# Altium PCB DoubleMain.PcbDoc (part 2 of 3) (continued)
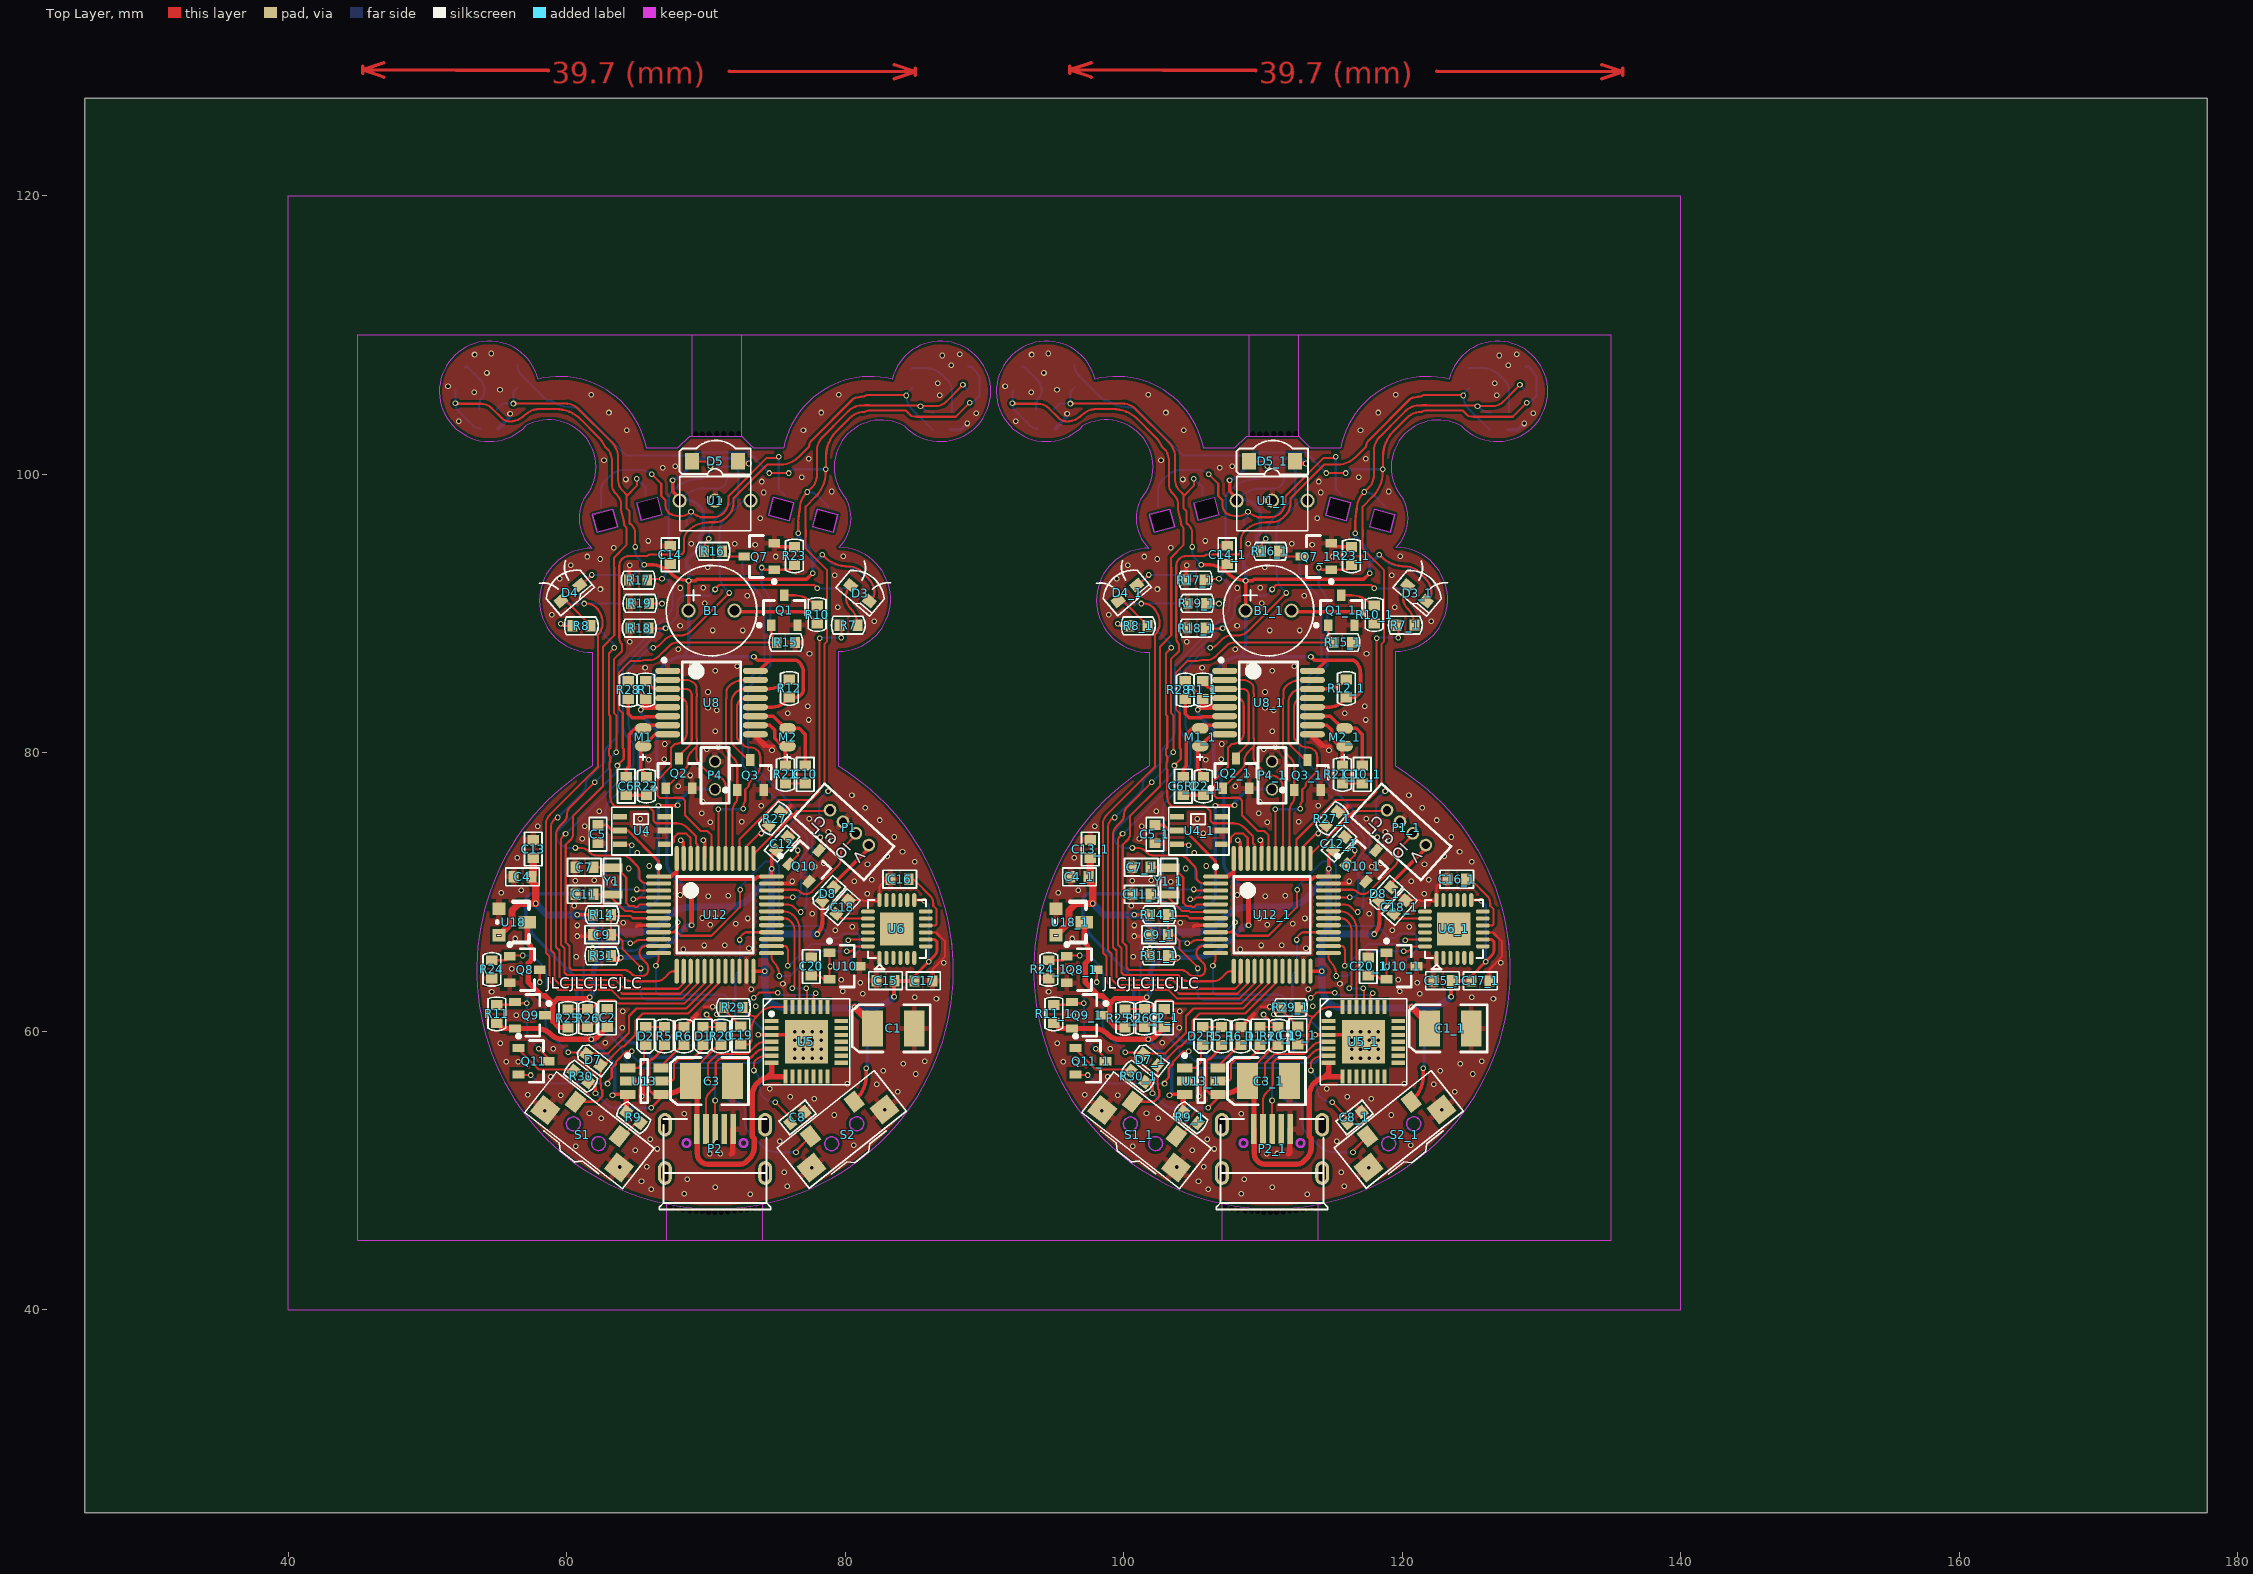
[diagram p0: Top Layer view]
## Nets (pads, with @x,y where several pads share a name; then routed paths per layer and width w, separated by ;. In a path a pad name is that pad's centre, name@x,y a point inside that pad or via, vN(x,y) a via of type N, cw(c..) or ccw(c..) an arc to the next point about the centre after c; other vN are vias at no path point) (continued)
; 101.403,61.521 101.495,61.521 ; 101.912,71.776 103.244,71.776 103.246,71.778 103.538,71.778 104.276,71.04 104.276,69.222 104.503,68.995 104.848,68.995 104.928,68.915 105.057,68.915 105.248,69.107 106.603,69.107 ; 101.919,69.83 101.929,69.819 103.246,69.819 103.246,69.565 104.173,68.639 104.701,68.639 104.78,68.56 106.556,68.56 106.603,68.607 ; v1(102.017,77.873) 100.391,76.248 100.274,76.13 ccw(c100.91,75.494) 100.01,75.494 cw(c99.415,75.494) 99.836,75.073 99.498,74.736 ccw(c100.164,74.071) 99.223,74.071 99.223,66.176 ccw(c100.09,66.176) 99.234,66.04 99.478,65.795 99.478,63.912 99.707,63.683 103.499,63.683 104.134,63.048 108.001,63.048 108.332,63.379 108.332,64.307 108.403,64.307 ; 102.554,57.525 102.61,57.525 103.993,58.908 104.11,58.908 104.889,59.686 ccw(c103.984,59.989) 104.938,59.989 104.938,60.737 105.471,61.27 108.738,61.27 110.903,63.435 110.903,64.307 ; 102.922,101.799 cw(c102.148,101.025) 103.243,101.025 103.243,99.272 ccw(c104.145,99.272) 103.507,98.633 103.583,98.557 cw(c102.809,97.783) 103.904,97.783 103.904,97.413 104.071,96.756 104.133,96.356 104.292,96.137 104.292,95.916 104.303,95.904 104.303,94.92 103.393,94.011 103.393,93.316 103.414,93.295 103.414,88.423 102.601,87.61 102.601,77.602 100.46,75.461 100.46,74.173 cw(c99.829,74.173) 100.276,73.728 99.934,73.386 99.934,66.377 100.195,66.116 100.195,64.572 100.373,64.394 104.074,64.394 cw(c104.074,63.658) 104.247,64.374 cw(c104.074,63.658) 104.595,64.179 104.666,64.107 ccw(c105.015,64.456) 105.015,63.962 105.372,63.962 ccw(c105.372,64.569) 105.708,64.064 ccw(c105.361,64.411) 105.852,64.411 105.852,64.506 ccw(c105.269,64.516) 105.852,64.516 ccw(c105.289,64.516) 105.687,64.915 105.522,65.08 ; v1(102.931,56.241) 102.931,56.368 103.237,56.674 103.237,57.334 103.543,57.64 103.543,57.809 104.286,58.552 v1(104.658,58.552) ; 103.175,66.833 ccw(c103.64,66.833) 103.311,66.503 ; v1(103.414,87.534) 103.033,87.153 103.033,82.713 103.126,82.619 103.126,80.355 103.033,80.262 103.033,79.82 103.126,79.726 103.126,79.33 103.082,79.286 103.082,78.844 103.126,78.8 103.126,76.819 ccw(c103.975,76.819) 103.375,76.219 ccw(c103.592,76.436) 103.592,76.129 105.885,76.129 106.24,75.775 106.24,75.095 106.403,74.932 107.884,74.932 cw(c107.884,73.82) 108.67,74.606 109.281,73.995 109.281,73.488 109.403,73.366 109.403,72.407 ; 103.469,52.69 104.246,52.69 104.252,52.683 105.004,53.435 ; v1(103.566,80.041) 103.566,82.682 103.388,82.86 103.388,86.717 103.976,87.305 103.976,87.788 cw(c104.475,88.286) 103.769,88.286 103.769,93.413 cw(c104.476,93.413) 103.976,93.913 cw(c104.476,93.413) 104.476,94.12 105.782,94.12 cw(c106.045,93.857) 106.045,94.229 108.168,94.229 ccw(c108.168,94.438) 108.316,94.29 ccw(c108.071,94.535) 108.418,94.535 108.418,95.222 cw(c109.417,95.222) 108.71,95.929 cw(c110.211,94.428) 110.211,96.551 110.633,96.551 ccw(c110.633,97.702) 111.447,96.888 111.641,97.081 ; v1(103.642,79.075) 103.642,79.092 104.1,79.549 104.1,80.262 104.023,80.338 104.023,82.835 103.744,83.114 103.744,85.73 104.611,86.597 105.279,86.597 cw(c105.64,85.257) 105.64,86.645 105.904,86.645 ccw(c105.904,87.685) 106.64,86.949 107.351,87.661 ; 103.788,73.341 103.717,73.411 104.604,73.411 v1(104.675,73.341) ; 104.151,63.784 ccw(c104.625,64.259) 104.625,63.588 106.459,63.588 ccw(c106.459,64.346) 106.611,63.603 ccw(c106.459,64.346) 106.995,63.81 107.34,64.155 cw(c107.706,63.789) 107.706,64.307 107.903,64.307 107.903,64.199 ; 104.373,57.369 105.151,57.369 105.537,57.754 105.537,58.857 105.674,58.994 ; v1(104.557,66.325) 104.811,66.325 104.878,66.392 cw(c105.268,66.001) 105.268,66.553 106.474,66.553 ccw(c106.474,66.735) 106.603,66.607 ; 104.698,96.309 cw(c104.178,95.79) 104.911,95.832 cw(c104.178,95.79) 104.912,95.79 v1(104.912,94.773) ; 104.697,96.31 104.511,96.496 104.511,97.349 104.305,97.555 104.305,98.441 104.339,98.475 ; v2(104.785,69.474) 105.059,69.474 105.192,69.607 106.603,69.607 ; 104.979,71.963 cw(c104.369,71.354) 105.231,71.354 105.231,71.003 ccw(c105.492,71.003) 105.308,70.819 ccw(c105.82,71.33) 105.72,70.613 ccw(c105.82,71.33) 105.82,70.607 106.603,70.607 ; v2(105.037,70.177) 105.108,70.107 106.603,70.107 106.532,70.177 ; v1(105.039,99.675) 105.039,99.175 104.339,98.475 ; v1(105.308,64.506) 105.308,64.6 103.998,65.911 103.998,66.491 103.555,66.934 103.175,66.934 103.175,68.357 103.248,68.284 104.554,68.284 104.731,68.107 106.603,68.107 ; 105.431,85.263 105.689,85.004 ; 105.521,65.081 105.42,65.182 cw(c105.878,65.64) 105.23,65.635 cw(c105.878,65.64) 105.23,65.64 cw(c105.722,65.64) 105.374,65.988 ; 105.661,66.107 ccw(c105.661,65.701) 105.464,66.055 ccw(c105.661,65.701) 105.374,65.988 ; 105.674,60.294 107.021,60.294 ; 105.739,58.93 105.827,59.017 105.827,59.071 ; 105.787,92.395 cw(c106.008,92.174) 106.008,92.487 v1(106.843,92.487) ; 105.969,88.931 v1(107.097,88.931) ; 105.969,90.709 v1(106.843,90.709) ; v1(106.106,100.005) 106.785,99.326 106.785,98.433 107.097,98.121 107.097,97.843 ; v1(106.204,87.537) ccw(c106.204,88.151) 106.638,87.717 107.068,88.147 cw(c107.733,87.482) 107.733,88.423 108.177,88.423 ccw(c108.177,89.494) 108.935,88.737 v1(111.669,91.471) ; v1(106.407,64.699) 106.36,64.699 ccw(c105.774,65.285) 106.373,64.712 ccw(c105.774,65.285) 106.603,65.285 106.603,65.607 ; 106.603,66.107 105.661,66.107 ccw(c105.661,65.701) 105.374,65.988 ; 106.603,67.107 107.94,67.107 108.189,66.858 110.399,66.858 112.431,68.89 112.431,70.135 v1(112.456,70.16) ; 106.683,84.572 108.58,84.572 cw(c108.58,84.191) 108.621,84.569 cw(c108.58,84.191) 108.849,84.46 cw(c108.543,84.154) 108.971,84.219 cw(c108.543,84.154) 108.976,84.154 108.976,80.903 cw(c108.47,80.903) 108.828,80.545 108.062,79.778 108.062,79.744 ; 106.773,56.419 107.446,56.419 ccw(c107.446,56.679) 107.63,56.495 ccw(c107.446,56.679) 107.706,56.679 107.706,57.671 108.033,57.998 109.032,57.998 109.789,58.755 109.789,58.994 ; 106.902,73.411 107.503,73.411 107.706,73.614 107.706,73.919 107.978,74.191 108.58,74.191 108.903,73.868 108.903,72.407 ; 106.999,83.922 108.149,83.922 cw(c108.149,83.506) 108.443,83.8 cw(c108.014,83.371) 108.621,83.371 108.621,81.416 cw(c107.881,81.416) 108.404,80.893 cw(c107.78,81.517) 107.78,80.635 107.478,80.332 107.478,78.988 107.483,78.983 106.533,78.033 106.533,76.901 106.696,76.737 107.713,76.737 107.739,76.764 108.208,76.764 cw(c108.208,76.504) 108.392,76.688 cw(c108.147,76.443) 108.494,76.452 cw(c108.147,76.443) 108.494,76.443 108.494,75.519 109.637,74.376 110.094,74.376 110.403,74.068 110.403,72.407 ; 106.999,85.222 108.547,85.222 cw(c108.547,84.315) 109.188,84.956 cw(c108.841,84.609) 109.332,84.609 109.332,84.265 109.347,84.25 109.347,84.051 109.332,84.035 109.332,81.021 109.349,81.004 109.349,80.464 109.332,80.447 ; 107.082,97.843 ccw(c107.985,97.843) 107.347,97.204 ccw(c108.125,98.457) 107.423,97.16 ccw(c108.125,98.457) 108.125,96.982 108.128,96.982 ccw(c108.128,98.11) v1(108.926,97.313) ccw(c109.907,98.294) 109.907,96.906 ; 107.112,77.442 108.568,78.898 ccw(c108.318,79.148) 108.672,79.148 108.672,79.394 cw(c109.62,79.394) 108.949,80.064 109.332,80.447 ; 107.168,57.369 106.773,57.369 106.773,57.492 108.276,58.994 108.418,58.994 ; 107.351,87.661 cw(c107.964,87.047) 107.964,87.915 115.083,87.915 ; 107.743,67.177 107.986,67.42 v1(107.986,67.823) ; 107.833,79.515 108.062,79.744 ; 108.062,79.592 108.062,79.744 ; 108.899,56.419 108.899,57.027 110.866,58.994 111.085,58.994 ; 109.01,100.921 109.965,100.921 v1(110.323,100.564) ; 109.615,96.906 109.907,96.906 ; 109.789,60.294 110.943,60.294 ; 109.822,61.753 v2@110.627,61.753 ; 109.85,94.468 109.85,94.523 cw(c111.029,94.523) v1(110.196,95.357) ; 110.003,52.975 110.003,54.992 cw(c110.834,54.992) 110.246,55.58 110.551,55.885 ccw(c110.183,56.253) 110.704,56.253 110.704,57.745 ; v1(110.043,61.194) 110.943,60.294 ; v1(110.145,56.342) 110.145,57.691 110.808,58.354 112.786,58.354 ccw(c112.786,58.805) 113.105,58.486 113.578,58.959 cw(c114.249,58.288) 114.249,59.237 114.717,59.237 ; 110.653,52.975 v1(110.653,55.022) ; v1(110.653,91.725) 110.653,91.75 110.941,92.038 117.782,92.038 v1@117.993,91.826 ; v2(110.779,61.203) 110.825,61.203 111.324,61.702 111.324,61.529 111.923,60.929 ; v1(110.892,75.941) 110.903,75.93 110.903,72.407 ; 110.904,57.947 110.704,57.747 110.704,57.745 ; 110.966,60.009 ccw(c110.68,60.294) 111.085,60.294 110.943,60.294 ; 111.047,60.332 111.059,60.345 ; 111.15,94.468 111.531,94.087 112.753,94.087 ; 111.403,72.407 111.425,72.429 111.425,77.532 ccw(c110.608,77.532) 111.186,78.11 ccw(c110.573,77.497) 110.573,78.364 cw(c110.573,78.907) 110.189,78.523 109.535,79.177 cw(c110.026,79.668) 109.332,79.668 109.332,80.447 ; 111.641,97.082 ccw(c110.838,97.885) 111.974,97.885 111.974,98.271 114.399,100.696 115.377,100.696 ccw(c115.377,102.486) 116.643,101.22 117.406,101.983 cw(c118.022,101.983) 117.587,102.419 120.528,105.36 cw(c120.901,104.986) 120.55,105.381 cw(c120.901,104.986) 120.901,105.515 cw(c121.364,103.772) 121.364,105.575 cw(c121.653,105.286) 121.653,105.695 124.347,105.695 v1(124.389,105.652) ; 111.903,72.407 111.903,75.74 cw(c113.064,75.74) 112.055,76.315 ; 111.924,60.929 112.507,60.345 ; 112.403,72.407 112.403,73.77 115.244,76.611 117.586,76.611 118.146,77.17 v1@118.146,88.219 ; v1(112.431,66.553) cw(c112.921,66.553) 112.574,66.9 112.659,66.985 cw(c112.953,66.691) 112.953,67.107 114.703,67.107 ; 112.482,59.02 112.507,59.02 ; 112.507,59.045 112.956,59.045 ccw(c112.956,59.336) 113.161,59.13 ccw(c112.894,59.398) 113.272,59.398 113.272,60.191 cw(c114.475,60.191) 113.625,61.041 ; 112.624,61.702 113.043,61.282 ccw(c113.625,61.864) 113.625,61.041 ; v1(112.685,75.977) 112.685,76.153 cw(c113.154,76.153) 112.822,76.485 112.822,77.359 113.066,77.602 cw(c113.618,77.602) 113.227,77.992 113.548,78.313 ccw(c112.708,79.154) 113.897,79.154 113.897,79.695 ccw(c113.228,79.695) 113.701,80.168 ccw(c113.21,79.677) 113.21,80.371 113.193,80.371 cw(c113.193,81.168) 112.629,80.604 112.319,80.915 cw(c112.558,81.154) 112.219,81.154 112.219,83.241 cw(c113.078,83.241) 112.343,83.685 cw(c112.915,83.113) 112.915,83.922 113.799,83.922 ; 112.903,72.407 112.903,73.264 113.838,74.199 v1(113.98,74.199) 113.98,74.22 114.508,74.748 114.508,74.783 ; 113.066,79.465 113.193,79.465 cw(c113.193,79.852) 112.919,79.578 112.002,80.495 cw(c112.439,80.931) 111.821,80.931 111.821,83.601 cw(c112.792,83.601) 112.106,84.287 cw(c112.792,83.601) 112.792,84.572 113.799,84.572 ; v1@113.374,62.391 v1(113.442,62.391) 113.82,62.769 v1(115.149,62.769) ; 113.403,72.407 cw(c114.07,72.407) 113.598,72.878 116.533,75.813 118.845,75.813 118.908,75.876 ; v1(113.447,57.181) 113.447,57.635 cw(c113.846,57.635) 113.564,57.917 ; 113.564,57.918 cw(c114.335,57.146) 114.335,58.237 114.717,58.237 114.677,58.197 ; 113.799,85.222 112.765,85.222 ccw(c112.765,83.618) 111.631,84.752 ccw(c112.03,84.353) 111.466,84.353 111.466,83.913 111.447,83.894 111.447,80.404 ccw(c112.032,80.404) 111.618,79.99 111.995,79.613 cw(c111.396,79.014) 112.243,79.014 112.243,77.315 112.243,76.768 cw(c111.602,76.768) 112.182,76.495 ; 113.98,61.397 113.625,61.041 ; 113.981,61.398 cw(c114.8,60.577) 114.8,61.737 115.717,61.737 ; v1(114.006,93.296) 114.165,93.137 114.903,93.137 116.015,93.137 116.355,93.477 ; v1(114.538,100.081) v1(115.945,100.081) ; 114.632,66.036 114.703,66.036 ; 114.677,89.153 114.677,88.894 ccw(c116.063,88.894) 115.083,87.915 ; 114.703,65.607 114.703,65.391 ; 114.703,66.107 115.655,66.107 cw(c115.655,65.637) 115.734,66.1 115.798,66.036 cw(c115.593,65.832) 115.882,65.832 115.882,64.963 cw(c115.545,64.963) 115.784,64.725 115.809,64.699 v2(115.885,64.699) ; 114.703,68.107 115.606,68.107 cw(c115.606,67.487) 116.044,67.925 116.068,67.901 cw(c115.359,67.193) 116.206,67.728 cw(c115.359,67.193) 116.361,67.193 116.361,66.204 116.368,66.198 116.368,63.258 v2(116.183,63.073) ; 114.703,69.107 115.784,69.107 cw(c115.784,68.28) 116.032,69.068 cw(c115.784,68.28) 116.368,68.865 116.583,68.65 ccw(c116.8,68.866) v1(116.8,68.56) ; 114.703,69.607 116.231,69.607 v1(116.241,69.616) ; 114.703,70.107 114.703,70.16 116.376,70.16 cw(c116.376,69.625) 116.755,70.003 ccw(c117.098,70.346) 117.098,69.861 117.252,69.861 ccw(c117.252,70.35) 117.597,70.004 ; 114.717,58.737 114.263,58.737 ccw(c114.263,57.761) 113.573,58.451 113.231,58.109 cw(c112.964,58.376) 112.964,57.998 110.957,57.998 110.704,57.745 ; v1(114.971,54.895) 115.123,54.742 115.776,54.09 cw(c115.084,53.398) 116.062,53.398 ; 115.158,87.946 cw(c115.083,88.021) 115.083,87.915 ; v1(115.225,101.25) 115.225,101.199 115.199,101.173 114.373,101.173 111.618,98.418 111.618,98.057 cw(c110.421,98.057) 111.268,97.211 cw(c110.532,97.947) 110.532,96.906 109.907,96.906 ; v2(115.25,63.962) 115.25,64.069 ccw(c114.036,64.069) 114.895,64.928 cw(c115.358,65.391) 114.716,65.258 ; 115.479,68.607 115.53,68.607 cw(c115.53,67.493) 116.316,68.281 ; 115.627,91.303 116.346,91.303 cw(c116.346,89.481) 117.634,90.769 ccw(c117.974,91.109) 117.974,90.629 ; 115.707,77.79 117.13,77.79 ; 115.973,72.012 116.596,72.636 v1(116.596,72.981) ; 116.318,68.28 cw(c115.352,67.315) 116.717,67.315 116.717,66.352 116.723,66.345 116.723,61.743 116.717,61.737 ; v1@116.49,51.309 v1(116.465,51.309) 116.465,51.392 117.518,52.445 ; v1(116.63,95.755) 116.63,96.595 116.623,96.601 ccw(c114.927,96.986) 116.666,96.986 cw(c118.422,96.986) 116.734,97.467 cw(c118.463,97.467) 117.24,98.689 v1(117.272,98.721) ; 117.217,61.737 117.257,61.777 v2@117.257,63.124 ; v1@117.361,98.684 cw(c117.361,98.811) v1(117.272,98.721) ; 117.562,63.998 118.161,63.998 118.435,63.724 118.874,63.724 v1@118.874,64.648 ; 117.598,70.004 119.457,71.863 ccw(c118.858,72.462) 119.705,72.462 119.705,72.767 cw(c120.344,72.767) 119.892,73.219 120.766,74.093 120.766,74.204 ; 117.717,61.737 117.717,62.543 v1(117.892,62.718) ; 118.023,73.087 118.297,73.361 118.297,74.036 v1(118.191,73.931) ; v1(118.355,94.214) 118.449,94.12 ccw(c120.245,95.916) 120.245,93.376 cw(c120.245,92.004) 121.214,92.974 121.628,92.56 cw(c120.485,91.418) 121.63,92.559 cw(c120.485,91.418) 122.101,91.418 cw(c121.689,91.418) 122.078,91.282 cw(c121.689,91.418) 121.981,91.126 121.737,90.883 ; v1(118.769,77.242) 118.769,77.509 118.501,77.776 118.501,87.795 118.705,87.998 118.705,93.109 117.157,94.657 117.157,95.529 117.163,95.535 117.163,95.976 117.157,95.982 117.157,97.672 117.855,98.37 ccw(c116.059,100.166) 117.966,98.488 ccw(c116.059,100.166) 118.241,98.866 ccw(c116.059,100.166) 118.599,100.166 v1(118.599,100.356) ccw(c118.532,100.423) 118.627,100.423 118.627,101.288 cw(c121.167,101.288) 119.371,103.084 120.322,104.035 cw(c121.361,102.996) 121.361,104.466 ; 118.874,65.624 v1@118.874,64.648 ; v1(118.933,64.648) v1@118.874,64.648 ; 119.362,68.432 119.704,68.091 121.633,68.091 ; 119.579,89.159 119.721,89.017 v1(119.721,88.27) ; 120.051,91.172 ccw(c121.231,91.172) 120.397,90.337 ; 120.051,91.173 cw(c121.231,91.173) 120.397,92.008 ; v2(120.124,65.74) 120.432,65.74 120.782,66.091 121.633,66.091 ; v2(120.203,66.528) 120.203,66.552 120.242,66.591 121.633,66.591 ; 120.232,69.398 120.249,69.416 121.285,69.416 121.354,69.347 122.39,69.347 122.458,69.416 122.458,70.409 122.972,70.922 123.262,70.922 ; 120.397,90.337 cw(c119.233,89.174) 120.879,89.174 120.879,89.159 ; 121.431,104.495 cw(c121.361,104.564) 121.361,104.466 ; 124.562,70.922 124.775,70.922 cw(c124.775,70.627) 124.984,70.836 126.106,69.714 cw(c125.577,69.185) 126.325,69.185 126.325,69.007 126.563,68.768 126.563,67.7 126.453,67.591 125.783,67.591 ; 125.783,67.091 126.523,67.091 127.156,66.457 127.156,65.353 126.263,64.46 126.263,63.607 ; v1(128.453,106.414) 127.247,105.207 cw(c126.48,105.974) 126.48,104.89 125.512,104.89 125.456,104.946 121.732,104.946 121.726,104.952 121.41,104.952 121.404,104.946 121.206,104.946 ccw(c121.206,103.6) 120.254,104.552 119.145,103.443 119.145,103.429 118.443,102.728 118.43,102.728 118.375,102.673 ccw(c119.361,101.687) 117.967,101.687 117.967,99.897 cw(c116.805,99.897) 117.627,99.076 v1(117.272,98.721) ; v1(128.936,105.118) 127.94,104.122 125.108,104.122 cw(c125.108,105.414) 124.767,104.168 ccw(c123.883,103.284) 124.628,104.288 124.339,104.577 121.726,104.577 ccw(c121.726,103.924) 121.361,104.466 ; 72.055,76.315 ccw(c71.602,76.768) 72.182,76.495 ; 72.055,76.315 cw(c73.064,75.74) 72.182,76.495 ; 74.703,65.391 ccw(c75.358,65.391) 74.716,65.258 ; 74.703,65.391 74.703,65.272 74.716,65.258 ; 112.055,76.315 ccw(c111.602,76.768) 112.182,76.495 ; 112.055,76.315 cw(c113.064,75.74) 112.182,76.495 ; 114.703,65.391 ccw(c115.358,65.391) 114.716,65.258 ; 114.703,65.391 114.703,65.272 114.716,65.258
  Top Layer w0.203: 61.615,56.476 62.068,56.023 v1(62.068,55.555) ; 62.245,74.798 62.872,74.798 63.258,74.411 63.819,74.411 64.394,74.411 66.603,72.203 66.603,71.107 ; v1(66.081,54.514) 66.773,55.206 66.773,55.469 66.238,55.469 65.918,55.789 65.918,57.82 66.097,57.998 66.187,57.998 67.021,58.832 67.021,58.994 ; 84.958,69.416 85.631,69.416 v1(85.674,69.373) ; 84.963,63.607 84.963,63.973 v2@85.982,64.991 ; 85.783,66.591 86.427,66.591 86.598,66.42 86.598,65.867 cw(c85.969,65.867) 86.413,65.423 v2@85.982,64.991 ; v2(85.994,64.978) v2@85.982,64.991 ; 101.615,56.476 102.068,56.023 v1(102.068,55.555) ; 102.245,74.798 102.872,74.798 103.258,74.411 103.819,74.411 104.394,74.411 106.603,72.203 106.603,71.107 ; v1(106.081,54.514) 106.773,55.206 106.773,55.469 106.238,55.469 105.918,55.789 105.918,57.82 106.097,57.998 106.187,57.998 107.021,58.832 107.021,58.994 ; 124.958,69.416 125.631,69.416 v1(125.674,69.373) ; 124.963,63.607 124.963,63.973 v2@125.982,64.991 ; 125.783,66.591 126.427,66.591 126.598,66.42 126.598,65.867 cw(c125.969,65.867) 126.413,65.423 v2@125.982,64.991 ; v2(125.994,64.978) v2@125.982,64.991
  Top Layer w0.254: 45.338,128.778 45.34,129.286 ; 46.861,128.519 45.339,129.032 ; 46.865,129.535 45.339,129.032 ; 58.689,128.989 45.339,129.032 ; v1(60.747,66.833) 61.875,66.833 ; v1(60.747,68.357) 61.875,68.357 ; 61.495,60.294 61.612,60.294 62.917,61.599 ; v1(63.287,55.403) 63.353,55.469 64.373,55.469 ; 64.277,76.952 65.725,76.952 ; 64.277,78.252 64.277,78.821 64.506,79.05 64.506,81.336 64.912,81.742 65.497,81.742 65.726,81.972 67.253,81.972 ; 64.373,56.419 65.065,56.419 65.486,55.997 65.486,55.418 v1(65.395,55.326) ; 64.43,83.861 64.43,82.784 64.707,82.506 65.56,82.506 65.623,82.57 67.201,82.57 67.253,82.622 ; 64.43,85.161 64.43,85.106 65.674,83.861 ; 64.487,92.395 64.487,93.348 cw(c64.645,93.348) v1(64.533,93.461) ; 65.014,67.518 cw(c65.227,67.305) 65.227,67.607 66.603,67.607 66.623,67.626 ; 65.497,80.472 65.319,80.295 65.319,78.821 65.725,78.415 65.725,78.252 ; v1(65.573,93.503) 65.987,93.503 cw(c65.987,91.422) 67.458,92.893 ccw(c68.749,94.184) v1(68.749,92.359) ; 65.674,80.65 65.725,80.65 65.725,80.701 66.346,81.322 67.253,81.322 ; 65.69,85.004 65.725,84.968 ccw(c66.683,85.926) 66.683,84.572 ; v1(66.589,76.18) 67.91,76.18 v1(67.96,76.231) ; 66.603,71.107 67.494,71.107 67.903,71.515 ; v1(67.602,99.576) 67.602,98.763 68.113,98.252 68.113,98.1 ; 67.903,72.407 67.903,71.515 ; 68.383,73.568 68.383,72.426 68.403,72.407 ; 68.749,90.201 v1(68.749,92.359) ; v1(69.815,73.709) v1@69.815,73.803 ; 69.903,72.407 v1@69.903,73.79 ; 71.689,128.948 85.039,128.905 ; 72.049,90.201 ccw(c72.202,90.354) 72.202,90.137 76.679,90.137 cw(c76.679,88.964) 77.509,89.793 77.974,89.329 ; 72.31,100.921 72.464,100.767 v1(73.091,100.767) ; 73.403,64.307 v1(74.223,64.307) ; v1(73.447,86.899) 73.701,86.645 74.572,86.645 ; 73.545,81.972 74.585,81.972 74.93,81.627 74.93,81.033 75.49,80.472 75.707,80.472 ; 73.545,82.622 74.828,82.622 75.707,81.742 75.86,81.742 76.698,81.742 77.13,81.311 77.13,79.09 ; 73.799,83.272 74.793,83.272 ccw(c74.793,84.486) 75.651,83.627 75.987,83.963 76.359,83.963 ccw(c76.359,84.621) 76.825,84.155 ccw(c76.396,84.585) 77.003,84.585 77.003,85.72 ccw(c75.875,85.72) 76.673,86.518 ccw(c76.366,86.211) 76.366,86.645 74.572,86.645 ; 73.799,84.572 74.319,84.572 ccw(c74.319,86.931) 75.986,85.262 ; 73.799,85.872 74.572,86.645 ; v2@73.81,59.737 74.717,59.737 76.717,59.737 ; 74.183,80.447 73.545,81.086 73.545,81.322 74.419,80.447 74.869,80.447 ; 74.449,68.607 74.703,68.607 75.479,68.607 ; 74.703,70.607 76.065,70.607 v2(76.21,70.752) ; 74.903,95.037 75.162,94.777 76.355,94.777 ; 75.022,72.987 74.717,72.683 v1(74.717,71.659) 74.703,71.645 74.703,71.107 73.738,71.107 73.547,70.916 68.183,70.916 67.903,71.196 67.903,71.515 ; 75.378,75.749 75.657,75.749 76.103,76.196 ; 75.707,79.09 75.707,80.472 ; 75.86,80.472 75.707,80.472 ; v1(77.663,92.893) 77.215,92.444 69.342,92.444 69.256,92.359 v1(68.749,92.359) ; 79.239,70.661 81.695,73.117 81.695,73.367 ; 80.649,54.936 80.761,55.048 ccw(c78.965,56.844) 81.312,55.872 ccw(c78.965,56.844) 81.35,55.971 ccw(c78.965,56.844) 81.355,55.984 ccw(c78.965,56.844) 81.505,56.844 v1(81.505,57.335) ; 83.514,128.402 85.039,128.905 ; 83.517,129.418 85.039,128.905 ; 85.038,128.651 85.04,129.159 ; 96.138,128.778 96.14,129.286 ; 97.661,128.519 96.139,129.032 ; 97.665,129.535 96.139,129.032 ; v1(100.747,66.833) 101.875,66.833 ; v1(100.747,68.357) 101.875,68.357 ; 101.495,60.294 101.612,60.294 102.917,61.599 ; v1(103.287,55.403) 103.353,55.469 104.373,55.469 ; 104.277,76.952 105.725,76.952 ; 104.277,78.252 104.277,78.821 104.506,79.05 104.506,81.336 104.912,81.742 105.497,81.742 105.726,81.972 107.253,81.972 ; 104.373,56.419 105.065,56.419 105.486,55.997 105.486,55.418 v1(105.395,55.326) ; 104.43,83.861 104.43,82.784 104.707,82.506 105.56,82.506 105.623,82.57 107.201,82.57 107.253,82.622 ; 104.43,85.161 104.43,85.106 105.674,83.861 ; 104.487,92.395 104.487,93.348 cw(c104.645,93.348) v1(104.533,93.461) ; 105.014,67.518 cw(c105.227,67.305) 105.227,67.607 106.603,67.607 106.623,67.626 ; 105.497,80.472 105.319,80.295 105.319,78.821 105.725,78.415 105.725,78.252 ; v1(105.573,93.503) 105.987,93.503 cw(c105.987,91.422) 107.458,92.893 ccw(c108.749,94.184) v1(108.749,92.359) ; 105.674,80.65 105.725,80.65 105.725,80.701 106.346,81.322 107.253,81.322 ; 105.69,85.004 105.725,84.968 ccw(c106.683,85.926) 106.683,84.572 ; v1(106.589,76.18) 107.91,76.18 v1(107.96,76.231) ; 106.603,71.107 107.494,71.107 107.903,71.515 ; v1(107.602,99.576) 107.602,98.763 108.113,98.252 108.113,98.1 ; 107.903,72.407 107.903,71.515 ; 108.383,73.568 108.383,72.426 108.403,72.407 ; 108.749,90.201 v1(108.749,92.359) ; 109.489,128.989 96.139,129.032 ; v1(109.815,73.709) v1@109.815,73.803 ; 109.903,72.407 v1@109.903,73.79 ; 112.049,90.201 ccw(c112.202,90.354) 112.202,90.137 116.679,90.137 cw(c116.679,88.964) 117.509,89.793 117.974,89.329 ; 112.31,100.921 112.464,100.767 v1(113.091,100.767) ; 113.403,64.307 v1(114.223,64.307) ; v1(113.447,86.899) 113.701,86.645 114.572,86.645 ; 113.545,81.972 114.585,81.972 114.93,81.627 114.93,81.033 115.49,80.472 115.707,80.472 ; 113.545,82.622 114.828,82.622 115.707,81.742 115.86,81.742 116.698,81.742 117.13,81.311 117.13,79.09 ; 113.799,83.272 114.793,83.272 ccw(c114.793,84.486) 115.651,83.627 115.987,83.963 116.359,83.963 ccw(c116.359,84.621) 116.825,84.155 ccw(c116.396,84.585) 117.003,84.585 117.003,85.72 ccw(c115.875,85.72) 116.673,86.518 ccw(c116.366,86.211) 116.366,86.645 114.572,86.645 ; 113.799,84.572 114.319,84.572 ccw(c114.319,86.931) 115.986,85.262 ; 113.799,85.872 114.572,86.645 ; v2@113.81,59.737 114.717,59.737 116.717,59.737 ; 114.183,80.447 113.545,81.086 113.545,81.322 114.419,80.447 114.869,80.447 ; 114.449,68.607 114.703,68.607 115.479,68.607 ; 114.703,70.607 116.065,70.607 v2(116.21,70.752) ; 114.903,95.037 115.162,94.777 116.355,94.777 ; 115.022,72.987 114.717,72.683 v1(114.717,71.659) 114.703,71.645 114.703,71.107 113.738,71.107 113.547,70.916 108.183,70.916 107.903,71.196 107.903,71.515 ; 115.378,75.749 115.657,75.749 116.103,76.196 ; 115.707,79.09 115.707,80.472 ; 115.86,80.472 115.707,80.472 ; v1(117.663,92.893) 117.215,92.444 109.342,92.444 109.256,92.359 v1(108.749,92.359) ; 119.239,70.661 121.695,73.117 121.695,73.367 ; 120.649,54.936 120.761,55.048 ccw(c118.965,56.844) 121.312,55.872 ccw(c118.965,56.844) 121.35,55.971 ccw(c118.965,56.844) 121.355,55.984 ccw(c118.965,56.844) 121.505,56.844 v1(121.505,57.335) ; 122.489,128.948 135.839,128.905 ; 134.314,128.402 135.839,128.905 ; 134.317,129.418 135.839,128.905 ; 135.838,128.651 135.84,129.159
  Top Layer w0.305: 68.418,60.294 68.433,60.294 69.357,61.219 ; v1@78.019,66.939 v1(77.983,66.974) ccw(c77.051,67.907) 78.369,67.907 78.369,69.376 ; v1(83.505,62.464) 83.505,63.535 cw(c83.643,63.535) 83.546,63.632 ccw(c83.607,63.694) 83.607,63.607 84.963,63.607 ; 108.418,60.294 108.433,60.294 109.357,61.219 ; v1@118.019,66.939 v1(117.983,66.974) ccw(c117.051,67.907) 118.369,67.907 118.369,69.376 ; v1(123.505,62.464) 123.505,63.535 cw(c123.643,63.535) 123.546,63.632 ccw(c123.607,63.694) 123.607,63.607 124.963,63.607
  Top Layer w0.381: 54.981,60.595 55.383,60.193 56.294,60.193 57.849,60.193 cw(c57.849,58.754) 58.867,59.771 ccw(c59.726,60.63) 59.726,59.416 v1(61.763,59.416) ccw(c61.763,60.071) 62.226,59.608 62.394,59.775 62.917,60.299 ; 57.165,67.823 57.165,66.691 ccw(c57.92,66.691) 57.214,66.425 ; 60.088,60.266 59.45,60.266 59.005,60.711 59.005,61.989 ; v1(61.661,62.438) 61.566,62.343 59.359,62.343 59.005,61.989 ; 63.175,65.156 63.744,65.156 v1(63.871,65.283) ; 64.273,54.203 64.273,55.369 64.373,55.469 ; v1(65.318,83.091) 65.498,83.272 ; 65.674,83.861 65.674,83.448 65.498,83.272 ; 67.249,93.299 67.313,93.363 67.313,93.564 67.427,93.564 ; 67.253,83.272 65.498,83.272 ; 68.899,56.419 69.353,55.965 69.353,52.975 69.375,52.952 69.375,51.245 ccw(c70.194,51.245) 69.614,50.667 ccw(c70.194,51.245) 69.615,50.666 ccw(c70.137,51.189) 70.137,50.45 72.428,50.45 ccw(c72.428,51.189) 72.951,50.666 73.101,50.817 ccw(c72.198,51.72) 73.475,51.72 73.475,52.285 73.32,52.44 73.32,55.372 cw(c74.621,55.372) 73.343,55.617 cw(c74.621,55.372) 73.701,56.292 cw(c74.775,55.217) 74.421,56.695 cw(c74.775,55.217) 74.775,56.737 ; v1(68.949,69.878) 68.966,69.861 v1(68.966,67.608) ; 71.821,51.186 71.93,51.295 71.93,52.952 71.953,52.975 ; 74.717,57.536 74.717,56.991 74.463,56.737 74.775,56.737 ; 75.491,56.737 74.775,56.737 ; 94.981,60.595 95.383,60.193 96.294,60.193 97.849,60.193 cw(c97.849,58.754) 98.867,59.771 ccw(c99.726,60.63) 99.726,59.416 v1(101.763,59.416) ccw(c101.763,60.071) 102.226,59.608 102.394,59.775 102.917,60.299 ; 97.165,67.823 97.165,66.691 ccw(c97.92,66.691) 97.214,66.425 ; 100.088,60.266 99.45,60.266 99.005,60.711 99.005,61.989 ; v1(101.661,62.438) 101.566,62.343 99.359,62.343 99.005,61.989 ; 103.175,65.156 103.744,65.156 v1(103.871,65.283) ; 104.273,54.203 104.273,55.369 104.373,55.469 ; v1(105.318,83.091) 105.498,83.272 ; 105.674,83.861 105.674,83.448 105.498,83.272 ; 107.249,93.299 107.313,93.363 107.313,93.564 107.427,93.564 ; 107.253,83.272 105.498,83.272 ; 108.899,56.419 109.353,55.965 109.353,52.975 109.375,52.952 109.375,51.245 ccw(c110.194,51.245) 109.614,50.667 ccw(c110.194,51.245) 109.615,50.666 ccw(c110.137,51.189) 110.137,50.45 112.428,50.45 ccw(c112.428,51.189) 112.951,50.666 113.101,50.817 ccw(c112.198,51.72) 113.475,51.72 113.475,52.285 113.32,52.44 113.32,55.372 cw(c114.621,55.372) 113.343,55.617 cw(c114.621,55.372) 113.701,56.292 cw(c114.775,55.217) 114.421,56.695 cw(c114.775,55.217) 114.775,56.737 ; v1(108.949,69.878) 108.966,69.861 v1(108.966,67.608) ; 111.821,51.186 111.93,51.295 111.93,52.952 111.953,52.975 ; 114.717,57.536 114.717,56.991 114.463,56.737 114.775,56.737 ; 115.491,56.737 114.775,56.737 ; 57.214,66.425 ccw(c57.92,66.691) 57.387,66.157 ; 57.214,66.425 cw(c56.399,65.71) 57.387,66.157 ; 57.214,66.425 ccw(c57.92,66.691) 57.387,66.157 ; 57.387,66.157 cw(c56.399,65.71) 57.483,65.71 57.483,65.122 57.244,64.883 57.244,63.497 58.191,62.55 58.445,62.55 59.005,61.989 ; 97.214,66.425 ccw(c97.92,66.691) 97.387,66.157 ; 97.214,66.425 cw(c96.399,65.71) 97.387,66.157 ; 97.214,66.425 ccw(c97.92,66.691) 97.387,66.157 ; 97.387,66.157 cw(c96.399,65.71) 97.483,65.71 97.483,65.122 97.244,64.883 97.244,63.497 98.191,62.55 98.445,62.55 99.005,61.989
  Top Layer w0.4: 66.773,55.469 66.897,55.469 ccw(c66.897,58.009) 68.693,56.213 68.899,56.419 ; 106.773,55.469 106.897,55.469 ccw(c106.897,58.009) 108.693,56.213 108.899,56.419